# KiCad board AMLDC-2044B p3.kicad_pcb (continued)
## Routing (per net, layer and track width the routed paths; a pad name or vN(x,y) marks a point on that pad's centre or on a via; arc(x,y) is an arc through that point) (continued)
  Top w0.25: 127.64,225.12 126.76,225.12 UJ0.7 ; 127.64,225.12 128.42,219.62 C72.2 131.78,215.21 132.39,214.61 132.39,204.21 132.31,204.29 ; 127.64,225.12 127.87,225.36 ; 127.61,17.9 127.61,1.07 ; 127.61,17.9 127.61,42.46 ; 127.61,17.9 126.72,18.8 UV0.7 ; 127.61,1.07 127.04,0.5 126.58,0.96 UW0.7 ; 127.61,1.07 127.61,-6.71 126.47,-7.85 v1(126.42,-7.85) 126.42,-7.91 126.45,-7.88 ; 127.7,260.48 127.52,260.31 127.4,260.43 UG0.7 ; 127.7,260.48 127.7,276.94 ; 127.7,260.48 127.7,251.42 127.87,251.25 ; 132.31,204.29 UK0.7 ; 132.31,204.29 133,203.6 133,198.53 ; 127.61,42.46 127.07,43.01 UU0.7 ; 127.61,42.46 128.14,42.99 128.14,62.17 ; 132.82,156.89 132.51,157.2 UM0.7 ; 132.82,156.89 132.82,173.8 ; 132.82,156.89 132.71,156.78 132.71,155.02 128.1,150.42 127.99,150.42 127.99,140.55 ; 127.03,355.59 v2(127.53,358.14) 127.58,358.19 ; 127.03,355.59 R19.2 125,348.76 CR1.2 124.53,345.01 R49.2 126.98,342.56 126.98,334.24 127.03,334.19 127.03,333.39 126.51,332.87 ; 127.03,355.59 127.58,355.59 128.18,354.99 133.28,354.99 133.33,355.04 133.93,353.59 134.33,352.09 135.53,349.34 136.73,346.99 137.03,346.69 C45.1 137.03,342.74 C31.1 ; 127.85,315.18 UD0.7 ; 127.85,315.18 127.85,298.62 ; 127.85,315.18 R72.2 128.73,318.79 128.73,328.15 UC0.7 ; 127.74,242.53 127.87,242.66 127.87,251.25 ; 127.74,242.53 127.58,241.46 127.87,238.64 ; 127.74,242.53 127.55,242.33 UH0.7 ; v2(125.23,329.39) 125.18,329.44 UC0.7 ; 111.33,298.28 111.56,298.52 v1(111.6,298.56) 127.96,298.52 127.85,298.62 ; 127.87,225.36 125.1,219.21 C71.2 ; 127.87,225.36 127.87,238.64 ; 127.99,115.47 127.99,97.62 ; 127.99,115.47 128.13,115.33 UP0.7 ; 127.99,115.47 127.99,140.55 ; 127.99,97.62 127.83,97.46 UR0.7 ; 127.99,97.62 127.99,80.58 ; UE0.7 127.78,295.99 127.87,295.89 ; 127.87,251.25 128.28,251.66 R7.2 ; 128.14,62.17 127.99,62.32 127.99,80.58 ; 128.14,62.17 UT0.7 ; 133,198.53 132.8,198.34 C64.2 ; 133,198.53 133,189.77 132.91,189.68 ; 127.7,276.94 127.87,277.11 127.87,295.89 ; 127.7,276.94 127.64,276.99 UF0.7 ; 126.51,332.87 126.13,332.49 ; 126.51,332.87 126.35,332.87 UC0.7 ; 127.99,80.58 127.78,80.79 US0.7 ; 127.99,140.55 127.8,140.73 UN0.7 ; 127.87,295.89 127.87,298.6 127.85,298.62 ; 132.91,189.68 132.79,189.56 127.63,189.56 127.26,189.19 C65.2 ; 132.91,189.68 132.91,173.89 132.82,173.8 ; 127.87,238.64 120.3,238.4 v1(115.28,237.59) 115.35,237.62 ; 426.85,100.98 429.33,103.4 428.98,103.75 429.16,110.33 429.47,113.57 429.66,115.38 429.87,120.28 R25.2 428.98,123.39 429.28,123.39 429.68,123.79 429.68,125.69 C8.1 ; J2.1 81.25,154.96 v2(81.33,155.04) ; 132.82,173.8 UL0.7 ; J1.99 81.13,188.74 81.13,188.74 v2(81.18,188.74) 81.18,188.79
V0p10: length 7.8
  Top w0.15: UV0.5 120.09,20.08 120.16,25.33 120.16,26.17 UV0.10
V0p13: length 7.8
  Top w0.15: UV0.13 112.58,26.21 112.58,25.12 112.54,22.54 112.46,19.92 112.46,19.13 UV0.2
V1p12: length 8
  Top w0.15: 153.84,34.1 153.79,34.04 v1(153.72,34.04) 153.72,33.97 153.65,33.91 153.65,33.69 153.3,33.34 153.3,27.8 153.25,27.74 UV1.12
V1p13: length 13.7
  Top w0.15: 148.74,39.54 v1(148.74,39.6) 148.59,38.11 148.56,37.82 148.44,37.28 148.39,35.9 148.42,35.02 148.44,34.26 148.56,33.68 148.76,33.06 148.89,32.53 149.04,31.65 149.53,30.47 149.72,29.76 150.04,28.99 150.35,28.08 150.49,27.58 150.71,26.36
V3p10: length 7.6
  Top w0.15: 239.36,25.78 239.36,18.16
V3p13: length 7.8
  Top w0.15: 231.74,25.78 231.74,25.3 231.98,25.05 232.11,19.54 231.74,18.16
(no net): length 18057.1
  Top w0: 81.24,319.09 81.25,319.1 v1(82.12,319.1) ; 92.28,319.1 v1(92.32,319.14)
  Top w0.15: 134.47,272.11 133.96,261.82 133.89,260.79 133.73,257.12 133.86,256.75 134.02,256.01 134.23,253.81 133.88,252.15 ; v1(435.61,314.44) 435.44,311.56 435.42,307.6 435.52,306.77 435.38,295.01 435.23,283.99 435.08,268.03 435.08,264.2 435,252.59 435.21,225.64 435.35,223.65 435.35,220.53 v1(435.26,220.44) ; 320.5,147.79 320.55,147.74 ; 320.55,147.74 320.34,144.51 320.37,143.77 320.27,140.73 320.11,139.32 320.05,137.7 319.77,135.16 319.47,133.61 319.38,132.48 319.18,131.22 319.09,129.97 318.86,128.65 318.68,127.41 318.57,125.86 318.48,125.01 318.37,119.81 318.14,113.13 317.98,86.62 317.93,85.1 317.92,83.18 317.87,82.25 317.76,77.75 317.81,76.26 317.76,71.11 ; 320.55,147.74 320.63,153.19 320.66,154.07 320.83,160.26 320.56,161.63 320.44,162.53 320.18,163.7 319.79,165.53 319.37,166.59 v1(319.01,167.25) ; 223.62,110.72 223.77,109.4 223.62,108.14 v1(223.62,106.78) ; v1(285.47,206.35) 285.54,206.35 288.37,203.9 289.08,203.22 290.07,201.69 289.85,198.06 289.63,197.04 289.32,195.55 289,193.57 288.56,189.49 288.47,188.2 288.05,184.67 287.74,182.22 287.66,170.12 287.59,167.08 287.83,136.41 287.59,128.43 287.43,124.04 ; v1(417.59,217.01) 417.71,218.69 417.57,240.71 417.63,242.08 417.76,249.99 417.76,250.89 417.85,255 417.92,256.17 417.69,256.66 417.53,257.68 417.99,258.94 418.1,263.34 417.79,263.73 417.65,265.2 417.74,265.3 417.74,265.47 418.14,266.15 418.04,267.27 418.03,268.71 v1(417.92,268.82) ; 256.65,42.39 v1(256.7,42.41) 256.91,43.73 257.17,44.95 257.21,46.61 257.22,50.44 257,50.66 257,69.44 257.12,70.55 256.84,103.49 256.85,106.51 256.74,108.68 v1(256.6,109.96) 257.13,114.36 256.67,174.56 256.59,180.34 v1(256.41,181.73) ; v1(223.78,282.27) 223.94,283.22 224.18,284.45 224.37,286.06 224.49,288.67 224.48,290.42 224.48,309.26 224.44,312.29 ; v1(281.65,322.8) 281.65,298.85 v1(281.54,298.73) ; v1(399.47,239.65) 399.5,239.68 399.5,241.27 399.4,241.65 399.22,242.9 399.09,245.64 398.98,246.61 399.07,266 399.21,273.63 399.33,304.65 399.38,305.4 399.41,308.18 399.61,309.94 399.85,313.15 400.08,316.99 399.98,317.59 v1(400.02,317.63) ; 139.92,154.68 140.29,156.5 v1(140.67,157.55) ; v1(333.3,120.54) 332.86,119.69 332.74,119.41 332.47,117.83 332.4,117.29 332.23,116.23 332.18,114.75 332.18,110.63 332.33,109.42 332.56,105.73 332.84,104.46 332.97,101.41 v1(332.97,101.41) ; 254.2,2.95 254.2,3.06 v1(254.25,3.11) 254.2,3.16 254.2,4.13 254.38,4.83 254.56,7.41 254.61,8.04 254.9,10.81 255.04,12.36 255.2,22.75 255.05,24.14 254.88,27.48 254.67,29.59 254.35,31.55 254.01,33.21 253.87,35.07 253.74,38.48 253.59,70.15 253.57,72.83 252.93,98.29 252.97,107.61 253.41,113.41 253.71,114.66 v1(253.81,115.58) ; v1(366.31,171.18) 366.29,169.91 366.25,168.86 366.11,164.38 366.13,163.53 366.06,161.03 366.07,159.56 366.03,155.95 365.99,155.11 365.89,151.91 365.89,150.97 365.81,149.41 365.73,147.72 365.8,146.94 365.69,145.9 365.71,145.88 365.85,143.11 365.94,142.01 366.12,139.82 366.15,139.09 366.25,138.08 366.38,134.45 366.35,127.82 366.35,126.31 366.35,125.11 366.3,122.29 366.34,118.41 366.27,117.65 v1(366.08,116.55) ; 104.46,116.83 104.43,116.87 v1(104.43,118.11) ; 281.45,199.58 281.76,190.74 282.31,186.2 283.05,179.68 ; v1(363.07,237.36) 363.32,237.1 363.29,236.69 v1(362.98,229.71) ; v1(179.27,174.26) 179.06,176 179.2,176.85 ; 224.44,312.29 224.02,312.71 v1(223.94,312.71) ; 224.44,312.29 224.44,312.37 ; v1(134.4,42.93) 134.5,46.75 134.49,47.37 134.72,49.01 134.87,52.31 134.91,53.92 134.97,55.56 135.07,57.3 135.07,62.57 135.49,64.2 135.75,66.91 135.92,67.84 136.09,69.27 136.42,71.02 136.45,76.04 136.21,77.32 136.07,79.55 136.03,79.91 135.41,85.83 135.17,88 135.1,89.27 134.96,89.93 134.77,93.72 134.84,95.1 134.79,97.13 v1(134.65,106.61) 133.94,107.32 133.71,108.23 133.17,110.3 133.04,122.25 133.17,123.83 133.91,127.6 134.26,128.77 135.21,132.92 135.43,134.43 135.83,138.79 136.01,139.96 136.28,144.86 136.36,146.21 136.41,148.36 136.45,149.92 136.63,152.78 136.88,153.95 137.32,159.91 137.43,161.1 137.65,163.25 137.78,164.1 137.87,167.47 137.98,169.22 138.16,171.76 138.23,172.38 v1(138.13,174.07) ; v1(400.17,320.43) 400.48,320.29 401.23,319.1 401.83,317.71 401.48,312.77 401.38,311.77 401.37,311.03 401.34,310.79 401.3,309.28 401.31,308.77 401.33,308.48 401.46,306.92 401.86,305.81 402.19,304.95 402.53,303.91 402.62,302.22 401.9,299 401.58,291.99 401.48,288.37 401.28,283.53 401.15,277.21 401.12,273.05 ; 286.75,240.94 286.31,230.25 286.24,228.6 286.43,226.31 286.76,216.3 287.36,209.61 287.62,207.39 v1(287.75,206.75) ; 255.36,299.14 255.38,299 ; 255.38,299 255.55,298.11 255.87,289 255.86,288.19 255.82,285.81 255.84,281.56 255.58,277.94 255.65,277.51 255.25,274.48 254.82,271.15 254.48,266.96 253.95,260.67 253.82,255.9 253.88,255.22 254.03,250.75 254.15,249.75 254.54,247.49 254.78,246 v1(255.29,244.11) ; 255.38,299 255.32,299.27 v1(255.29,300.11) ; v1(289.01,352.17) 289.31,349.78 289.72,345.34 289.68,328.47 289.68,325.07 289.39,319.81 v1(289.12,317.84) ; v1(289.07,241.3) 289.29,243.19 289.48,245.13 289.85,247.02 290.15,251.34 290.11,253.49 290.15,256.99 290.08,257.85 v1(290.09,258.18) ; v1(89.94,227.41) 89.3,227.78 88.9,228.26 88.43,228.79 87.54,230.25 87.65,231.91 87.8,232.43 88.01,233.02 88.36,233.52 88.51,233.78 89.12,234.28 89.4,234.45 92.67,236.17 94.48,237.02 v1(95.94,237.73) ; v1(374.63,116.51) 375.21,141.42 375.09,193.08 375.15,205.82 375.15,206.52 v1(374.9,206.77) ; 324.31,72.71 324.58,90.35 324.43,98.92 324.95,101.12 325.18,102.65 325.08,103.94 325.13,106.13 325.31,107.7 325.49,110.65 325.99,112.51 326.37,115.22 326.93,117.08 327.7,121.22 328.36,124.59 328.77,127.62 328.63,134.6 328.73,139.59 328.74,140.81 328.64,156.75 328.69,156.79 328.69,176.85 328.77,185.74 328.77,194.49 328.84,197.04 328.81,206.06 328.58,208.95 328.2,216.91 327.93,221.76 327.83,222.94 327.61,228.4 327.34,232.15 326.93,241.34 326.75,243.82 326.56,248.25 326.43,249.7 325.93,263.32 325.67,268.94 325.36,277.76 325.18,279.56 325.04,281.75 324.77,291.64 324.83,295.91 324.9,303.78 324.92,306.57 325.13,330.49 325.08,330.53 v1(325.08,332.78) ; 253.02,-0.76 v1(252.9,-0.67) 252.88,-0.19 252.44,1.29 251.34,5.51 251.22,6.57 250.83,9.55 250.15,12.42 249.93,14.61 249.71,15.98 249.72,17.92 249.65,19.92 249.83,20.97 249.99,31.83 250.03,31.88 250.03,41.01 250.16,44.26 250.41,53.37 250.39,53.39 250.46,63.15 250.62,69.76 251.01,75.08 251.13,76.22 251.22,77.77 251.17,80 250.76,83.03 250.64,84.55 250.58,85.79 250.52,88.23 250.51,92.36 250.49,97.25 250.22,107.75 250.11,113.75 250.49,115.11 250.89,116.55 251.76,119.09 252,120.93 252.24,122.51 252.27,127.05 252.29,130.96 252.24,133.25 v1(252,136.72) ; v1(99.01,59.52) 98.8,60 98.42,61.12 98.08,62.32 97.74,63.71 97.55,66.4 97.39,67.61 97.39,69.98 97.39,71.59 97.48,72.94 97.55,74.08 97.59,78.14 97.65,78.82 97.52,80.09 96.67,81.67 96.38,82.53 95.19,83.96 93.26,85.7 92.43,86.34 ; v1(183.59,132.26) 184.14,154.62 183.62,169.94 183.6,171.1 v1(183.39,174.16) ; v1(172.18,282.82) 172.39,283.81 172.76,284.9 172.79,286.9 172.59,290.52 172.13,293.11 171.7,298.39 171.7,301.82 171.6,303.25 171.84,307.08 172.78,308.72 173.27,309.87 173.39,310.81 173.39,315.92 173.38,317.28 173.26,319.54 173.22,321.11 173.52,324.25 173.8,326.37 173.87,327.5 173.93,329.21 174.15,333.88 174.29,334.93 174.39,337.74 174.54,339.11 174.37,342.92 173.61,347.84 173.38,350.89 173.29,351.78 v1(173.29,354.87) ; v1(102.99,141) 103.12,140.07 103.47,136.23 ; v1(102.99,141) 103.23,141.24 ; v1(102.99,141) 102.79,140.8 ; v1(338.22,159.61) 338.45,160.79 338.6,163.38 338.6,164.69 338.58,166.2 338.5,169.54 338.32,174.22 338.17,177.13 337.76,183.86 337.59,185.93 337.48,188.21 337.4,188.84 337.22,193.22 337.07,194.36 336.84,196.15 336.06,197.66 335.74,198.71 334.66,200.52 334.21,202.77 334.01,204.66 334.14,207.98 334.08,210.44 334.16,215.51 334.14,217.86 334.31,223.7 334.23,223.79 334.23,232 334.16,233.62 334.16,247 334.11,247.05 334.11,248.92 334.14,250.91 334.4,261.79 334.46,264.6 v1(334.63,269.05) ; 138.84,328.77 138.63,327.17 138.35,325.06 137.82,323.26 137.56,318.38 137.64,316.19 137.51,314.55 137.4,294.92 137.29,293.69 137.2,287.32 137.2,286.43 137.12,283.53 136.9,280.95 136.82,279.4 136.63,275.24 136.59,273.33 136.41,271.49 136.39,270.06 135.97,262.08 135.87,260.69 135.93,258.88 136.31,256.56 136.21,253.69 135.96,252.32 135.75,250.65 135.81,249.35 135.97,242.37 135.97,241.2 135.93,238.47 135.92,237.61 135.97,235.19 136.39,233.05 136.92,229.48 136.91,228.69 137.12,221.78 137.26,220.05 137.52,217.19 137.86,214.93 138.55,208.74 138.63,208.26 139.02,205.38 138.91,203.52 138.25,201.28 137.65,199.67 136.96,197.73 136.45,196.56 136.25,195.54 135.87,194.45 135.49,193.1 135.28,191.5 ; 173.71,286.57 173.75,283.49 173.24,279.11 173.25,276.95 173.33,276.17 173.65,274.29 173.85,272.64 173.63,269.99 173.4,268.11 172.73,264.95 173.31,261.81 173.55,261.03 173.81,258.99 174.03,257.74 174.07,256.57 174.02,253.77 174.03,253.21 173.8,248.67 173.88,242.61 173.98,234.13 173.98,233.41 174.02,227.25 174.06,226.41 173.94,220.58 173.95,218.47 173.92,215.67 173.97,211.75 173.94,207.55 174.07,204.3 174.07,200.83 174.09,200.48 174.09,195.9 174.07,195.41 174.17,192.17 174.17,178.27 174.15,177.57 174.08,174.36 174.08,162.99 173.88,148.05 173.93,145.13 173.32,137.82 172.97,136.56 172.76,135.39 172.22,133.48 171.9,131.37 171.86,129.8 171.96,124.79 v1(172.26,123.28) ; v1(405.09,302.19) 404.95,302.96 404.62,303.9 404.45,304.48 404.19,305.08 403.82,306.39 403.71,307.29 403.57,308.83 403.56,311.47 403.7,318.24 403.4,320.15 403.24,320.7 403.06,321.75 402.92,323.15 402.87,323.56 402.76,324.17 402.76,330.68 402.7,331.23 402.73,332.09 402.89,334.07 403.01,334.67 403.3,335.94 403.43,336.45 403.68,337.32 404.1,338.1 404.34,338.82 404.44,339.3 v1(404.54,340.19) ; v1(221.98,242.36) 221.28,243.77 221.23,262.79 221.25,275.97 221.04,286.02 220.91,289.99 220.82,290.96 220.73,294.71 221.14,296.83 220.94,298.38 220.49,299.22 ; v1(363.07,281.73) 363.14,282.98 362.97,285.04 362.79,287.81 362.69,288.96 362.69,290.43 362.65,294.75 362.74,296.58 362.74,300.47 362.73,301.87 362.69,306.47 362.76,307.61 362.92,311.66 363.01,313.12 363.3,316.75 363.47,318.74 363.7,322.12 363.81,322.81 364.03,324.94 364.2,326.08 364.32,327.39 364.73,331.2 364.96,333.78 365.01,338.24 364.95,339.39 364.87,340.15 364.49,343.53 v1(364.33,344) ; v1(85.72,77.26) 86.1,76.4 86.32,75.3 87.21,72.91 87.38,72.01 87.66,69.48 87.76,68.91 87.69,68.47 87.74,67.38 87.72,66.35 87.62,64.48 87.22,63.13 86.96,62.11 86.09,61 84.95,60.4 84.69,60.21 83.78,60.02 v1(82.41,59.95) ; v1(367.93,307.1) 368.41,306.62 368.66,298.8 368.46,296.81 368.28,296.33 367.66,294.76 367.37,293.97 366.96,293.01 366.81,292.06 367.09,290.54 367.23,290.03 367.39,289.04 367.53,288.42 367.59,287.75 367.78,286.84 368,285.84 368.13,285.09 368.3,283.96 368.43,283.08 368.43,281.82 368.37,281.56 368.29,281.06 367.97,280.06 367.43,278.93 367.28,278.42 367.09,277.51 366.9,276.2 366.85,275.19 366.7,272.77 366.66,271.71 366.75,270.29 367.05,268.56 367.3,267.34 367.36,265.29 367.04,264.27 366.54,262.92 366.16,261.66 366.25,260.24 366.6,259.05 367.18,257.22 367.58,256.19 368.23,254.3 369.12,252.31 369.67,248.4 369.7,244.93 369.86,236.87 369.52,233.29 369.09,231.33 368.9,229.49 369.26,228.09 369.85,226.71 370.2,225.93 370.52,224.5 370.36,222.66 369.96,221.5 369.58,220.04 369.2,218.67 368.99,214.73 369.02,214 368.94,213.37 369.02,210.19 368.93,209.12 368.73,206.61 368.65,205.9 368.54,202.25 368.48,202.02 368.57,197.73 368.72,189.5 368.76,188.85 368.7,188.52 368.69,188.08 367.9,184.57 367.74,183.55 367.47,182.64 367.23,181.57 367.12,180.8 367.16,179.71 367.29,178.73 v1(367.43,177.48) ; v1(82.15,284.8) 82.47,284.8 84.07,287.41 84.97,290.86 86.35,295.57 87.76,299.13 88.17,299.98 90.7,303.68 90.93,303.68 v1(91.07,303.81) ; v1(407.69,210.6) 407.77,209.72 408.02,208.92 408.28,207.37 408.4,206.64 408.47,205.53 408.58,203.08 408.62,202.6 408.57,199.35 408.5,197.97 408.52,197.03 408.32,195.95 408.24,194.09 408.04,192.8 407.89,191.12 407.68,189.65 407.59,188.48 407.39,186.94 407.27,185.1 407.17,183.48 406.96,170.76 407.02,169.02 406.96,167.11 406.95,164.74 406.84,152.85 ; 337.93,70.44 338.22,70.73 338.22,110.87 337.95,111.15 v1(337.95,111.91) ; v1(181.78,9.57) 181.58,9.57 180.53,10.91 181,13.63 181.2,14.66 181.6,16.26 181.66,17.62 181.3,33.74 181.37,34.55 181.31,35.93 180.91,49.81 180.3,54.93 180.07,57.64 180.18,59.1 180.28,59.63 180.66,62.67 181.16,65.86 181.09,66.56 181.09,67.47 181.26,73.09 181.26,79.52 181.31,97.91 181.33,99.21 181.33,105.51 181.75,113.71 181.99,115.05 v1(182.4,115.76) ; v1(411.97,352.86) 412.18,352.4 412.58,351.54 412.59,345.74 412.59,343.81 412.56,332.11 412.55,327.78 412.5,320.28 412.47,318.75 412.33,307.61 412.33,305.61 412.35,302.29 412.41,295.44 412.28,291.53 412.17,290.2 412.04,288.61 412.04,287.1 v1(411.8,286.86) ; 83.67,25.4 83.5,25.23 v1(83.15,25.2) 83.13,25.23 ; 83.67,25.4 84.72,25.72 85.05,25.97 86.67,26.84 86.96,27.01 87.31,27.23 87.69,27.43 88.59,28.04 89.17,28.33 90.05,28.92 90.69,29.36 92.15,30.52 94.5,32.92 95,33.57 95.9,34.58 96.91,36.08 97.91,37.39 98.4,38.28 99.49,39.85 100.16,41.05 101.02,42.76 101.45,43.91 101.52,43.98 101.76,44.96 101.74,45.21 101.85,45.91 101.44,48.05 101.36,48.54 101.2,49.34 101.45,51.07 101.69,51.83 101.88,53.22 102.04,53.77 102.16,54.32 102.28,54.9 102.3,55.52 102.41,56.16 102.51,57.97 102.5,58.65 102.47,59.33 102.31,60.45 102.08,61.45 101.82,62.53 101.45,63.38 101.18,64.7 100.82,65.64 100.46,66.83 100.07,67.86 99.49,69.94 99.42,71.06 99.35,72.35 99.43,73.08 99.4,73.61 99.63,74.57 99.63,75.17 99.89,76.21 100.19,78.02 100.43,79.16 100.48,79.88 ; 83.67,25.4 83.54,25.27 ; v1(175.21,307.8) 174.88,306.85 174.85,306.32 174.75,303.07 174.74,296.11 174.71,294 174.85,287.81 174.89,284.93 174.76,281.15 174.71,280.32 174.62,279.45 174.4,278.2 174.06,277.52 174.88,275.5 174.74,274.91 174.88,272.07 174.81,271.38 174.58,268.92 174.34,267.71 174.22,266.58 174.09,265.94 174.16,263.26 175.39,258.68 175.32,254.47 175.03,249.81 175.05,248.02 175.7,246.48 176.04,245.28 177.11,243.26 177.14,235.32 177.11,235.28 177.11,227.51 177.07,227.47 177.14,227.16 177.21,226.07 177.21,214.95 v1(177.31,214.85) ; 253.68,295.83 253.68,296.23 253.73,295.43 254.21,291.66 254.42,290.07 254.45,289.65 254.63,287.54 254.52,286.08 254.54,284.84 254.57,282.11 254.18,277.9 253.89,275.07 253.8,273.36 253.38,266.88 252.95,262.77 252.58,259.32 252.55,258.13 252.36,254.36 252.35,251.45 252.32,243.27 252.33,239.59 252.45,235.86 252.51,235.47 252.72,233.38 253.2,230.17 253.42,229.39 253.52,229.39 v1(254.06,228.86) ; 327.37,70.6 327.56,100 327.74,107.3 327.82,109.12 328.03,110.54 328.39,111.93 328.45,112.69 328.84,113.95 329.15,115.67 329.45,116.75 329.82,119.09 329.98,119.79 330.09,120.87 330.37,122.05 330.49,122.68 330.82,124.23 331.09,126.7 331.43,128.4 331.47,218.64 v1(331.64,218.82) ; v1(178.86,321.78) 178.72,320.45 178.53,316.2 178.47,315.33 178.09,312.85 177.98,311.37 177.76,309.09 177.8,306.99 178.07,303.95 178.4,301.5 178.43,301.16 178.62,298.97 178.78,296.16 179.02,293.58 179.37,288.95 179.33,287.85 179.25,285.49 179.04,283.74 178.72,281.02 178.55,278.91 178.47,278.84 178.47,274.82 178.49,274.25 178.7,271.77 178.88,270.53 179.04,260.67 178.94,260.1 178.84,256.22 178.74,255.41 178.21,250.08 178.08,248.38 178.57,246.97 179.35,245.21 180.12,242.02 180.3,233.06 ; 212.27,154.36 212.17,138.97 212.21,138.92 212.21,131.66 212.26,131.61 212.3,123.67 212.27,122.36 212.47,119.7 212.93,115.41 ; v1(368.06,225.85) 367.97,226.58 367.92,227 367.86,227.72 367.87,230.31 368.13,231.67 368.47,233.17 368.62,233.81 368.83,234.78 368.89,235.51 368.81,247.3 368.52,249.95 368.08,252.37 367.45,254.06 366.87,255.86 366.47,256.83 365.79,258.84 365.53,259.47 365.28,260.47 365.23,261.2 365.3,262.93 365.52,264.2 v1(365.41,265.21) ; v1(97.38,43.76) 97.03,45.22 96.76,45.85 96.42,47.66 95.61,50.49 95.57,51.67 95.5,52.86 95.39,53.28 95.29,54.33 94.93,56.73 94.81,58.1 94.61,59.87 ; v1(337.02,205.66) 336.85,206.65 336.72,208.26 336.71,210.16 336.59,211.39 336.64,218.93 336.62,219.66 336.62,220.6 336.61,226.63 336.61,233.01 336.68,233.07 336.68,240.74 336.82,243.03 336.86,243.38 336.96,244.88 337.04,246.72 337.12,247.53 v1(337.09,248.78) ; 107.05,153.07 107.5,155.79 107.66,156.57 107.66,157.24 108.15,160.18 108.21,160.76 108.55,161.72 108.7,162.42 v1(108.99,164.39) ; v1(368.15,291.85) 368.31,291.14 368.47,290.36 368.41,290 368.53,287.82 368.93,285.42 369.12,284.63 369.39,282.98 369.48,281.88 369.26,280.69 368.82,279.65 367.87,276.41 367.71,275.34 367.62,274.6 367.63,274.18 367.58,272.68 367.61,271.65 367.58,270.69 367.71,269.84 367.84,269.32 368.45,265.9 368.1,264.44 367.87,263.95 367.25,262.34 367.17,261.33 367.12,260.83 367.3,259.95 368.2,257.76 368.64,256.38 368.99,255.5 369.38,254.06 370.05,252.31 370.53,249.8 370.65,249.23 370.8,235.51 370.78,234.33 370.66,233.43 370.56,232.67 370.06,230.91 369.87,229.58 370.23,228.18 370.61,227.3 371.28,225.73 371.44,224.37 371.42,223.8 371.38,222.66 371.01,221.89 370.93,221.3 370.39,219.76 370.02,217.9 369.9,208.6 369.89,208.59 369.73,207.49 369.64,206.7 369.46,203.7 369.72,201.41 370.71,198.5 371.19,197.17 371.36,192.25 371.45,190.27 371.4,171.32 371.17,167.96 371.15,167.57 370.66,164.74 370.24,161.75 370.19,160.92 369.88,152.61 369.85,151.75 369.78,144.25 370.66,141.66 371.23,140.05 371.43,139.43 371.57,138.72 371.81,137.84 371.8,135.83 371.74,130.8 371.29,124.72 371.17,123.57 371.1,123.07 v1(370.9,122.67) ; v1(82.28,268.74) 83.43,271.62 84.7,273.82 85.82,276.76 87.25,279.31 88.05,281.06 89.85,283.76 90.52,284.33 90.94,284.68 92.27,286.2 92.99,287.65 93.07,290.1 92.77,291.72 v1(92.28,293.84) ; v1(403.42,350.27) 402.97,349.3 402.32,348.32 402.03,347.53 401.8,347.07 401.34,345.18 401.46,339.05 v1(401.28,337.62) 401.39,337.2 401.5,336.81 401.48,335.4 401.48,334.43 401.31,327.58 401.34,326.91 401.37,326.18 401.44,323.29 401.55,322.44 401.81,321.35 402.21,319.42 402.61,317.62 402.58,314.32 402.49,312.68 402.44,310.06 402.44,309.09 402.42,308.27 402.53,307.41 402.86,305.93 403.11,305.25 403.49,304.27 403.58,302.23 403.4,300.72 403.26,299.59 403.13,298.57 403.14,298.11 402.91,295.9 402.79,294.2 402.79,293.72 402.76,289.88 402.82,288.83 402.92,283.11 403.04,282.34 403.21,281.08 403.31,280.71 v1(403.43,279.11) 403.23,278.61 403.11,278.25 402.79,276.62 402.71,275.99 402.53,274.15 402.54,273.04 402.54,270.49 402.58,269.87 402.69,268.56 402.81,267.62 402.94,266.7 403.25,265.37 403.57,262.79 403.03,260.48 v1(403.03,260.16) ; v1(82.48,74.98) 82.72,75.87 83.05,76.65 83.23,77.25 83.48,77.6 84.28,79.08 84.52,79.46 84.92,80.06 85.49,80.57 86.23,80.99 86.9,81.11 87.42,81.1 88.32,80.76 89.82,79.27 90.01,79.01 90.38,78.37 90.77,77.73 91.58,75.98 91.98,74.87 92.11,74.49 92.19,74.01 92.29,73.19 92.29,69.97 92.21,69.32 92.11,68.31 92.01,67.77 92.01,67.28 91.86,65.44 91.84,65.19 91.84,65.01 91.74,64.1 91.71,63.89 91.75,62.91 91.81,62.26 92.02,60.48 92.15,59.61 92.24,58.58 92.31,58.24 92.34,58.15 92.48,56.94 92.63,55.41 92.63,54.52 92.69,54.41 92.68,54.3 92.47,52.41 92.18,51.69 91.91,51.03 91.63,50.69 91.35,50.34 90.24,49.23 89.92,49.02 89.19,48.54 88.31,47.91 87.22,47.16 87.08,46.95 86.45,46.57 86.1,46.25 v1(84.75,45.6) ; 400.41,248.13 400.35,249.1 ; 400.35,249.1 400.38,248.4 400.64,246.94 400.74,246.23 400.86,245.36 401.18,244.44 401.77,242.28 402.22,241.17 402.69,239.71 402.76,239.32 402.96,238.81 403.34,237.2 403.55,234.02 403.58,232.7 403.59,222.69 403.6,221.13 403.39,218.26 402.99,216.51 402.38,215.13 401.47,213.68 401.41,213.68 400.44,211.93 399.52,210.48 399.12,209.38 398.77,207.73 398.69,201.48 398.68,200.31 398.5,161.84 398.77,157.05 398.71,154.5 v1(398.89,154.31) ; 400.35,249.1 400.22,253.41 400.22,255.29 400.19,259.22 400.2,259.96 400.2,269.86 400.17,271.52 400.45,283.33 400.45,287.58 400.71,300.74 400.81,302.34 v1(400.84,303.5) ; 408.9,186.53 408.92,187.67 409.07,189.18 409.06,190.4 409.32,193.49 409.33,194.1 409.43,196.16 409.66,199.27 409.67,201.18 409.78,205.66 ; v1(319.75,72.11) 319.53,73.11 319.42,74.17 319.32,76.5 319.2,77.65 318.99,91.77 319.02,106.4 319.21,108.09 319.92,109.98 320.75,111.83 321.22,112.95 321.57,114.29 321.61,115.25 321.67,116.8 321.56,123.6 321.63,124.77 322.1,130.37 322.28,131.27 322.52,133.24 322.73,134.25 322.73,134.78 322.94,136.47 322.91,137.41 323.07,139.16 323.05,177.78 323.05,179.13 322.73,190.37 322.62,191.56 322.53,192.72 322.47,193.62 322.32,194.06 322.16,195.45 322.04,196.53 322.04,196.94 321.82,198.74 321.63,199.94 321.5,200.75 321.26,202.85 321.16,203.6 v1(321.14,204.2) ; v1(330.91,254.1) 331.27,255.34 331.66,256.55 331.87,257.33 332.13,258.12 332.42,259.4 332.73,260.56 332.92,262.79 332.94,264.01 332.98,265.75 332.94,267.49 332.78,268.85 332.52,274.28 332.57,274.69 332.77,276.78 332.96,277.47 333.06,278.01 333.3,278.73 333.61,280.3 333.77,280.86 334.12,282.31 334.46,283.44 335.26,286.95 335.43,288.41 335.28,293.53 335.02,297.78 335.38,303.21 335.41,304.45 335.58,309.41 v1(335.35,310.4) ; v1(372.2,286.81) 372.24,285.68 372.33,284.59 372.45,283.54 372.58,282.4 372.56,281.67 372.63,280.03 372.55,279.43 372.14,278.18 372.23,278.27 371.64,277.16 370.93,275.85 370.41,274.02 370.28,271.11 370.67,268.59 371.02,267.16 371.24,266.24 371.55,264.94 371.61,264.21 371.48,262.63 ; v1(85.18,70.9) 85.33,70.04 85.38,68.12 85.5,67.72 85.39,65.82 85.22,64.97 85,64.19 84.5,63.69 84.24,63.41 83.69,63.11 83.1,63.04 v1(82.61,63.4) ; 335.94,108.96 336.09,108.16 335.74,99.49 ; 281.56,24.55 281.56,24.6 v1(281.58,24.61) 281.56,24.63 281.56,29.41 281.36,34.61 281.37,36.32 281.42,37.81 281.36,43.36 281.32,45.64 281.47,53 281.67,55.63 281.75,60.5 281.97,62.79 281.94,64.82 282.11,66.3 282.22,67 282.54,71.83 282.81,72.61 283.22,74.65 283.57,76.36 284.01,78.53 283.87,81.55 283.97,86.87 283.81,133.9 283.44,156.21 283.21,157.02 283.04,157.97 282.85,158.57 282.39,160.77 282.12,161.51 281.61,164.3 v1(281.31,165.12) ; v1(290.53,153.28) 290.35,152.25 289.87,150.71 289.72,149.51 289.71,142.3 290.04,135.42 290.22,132.25 290.55,129.01 291.01,121.69 291.12,111.64 291.29,106.16 291.25,100.73 291.4,78.59 291.35,72.43 291.35,60.16 291.33,60.13 291.07,56.75 291.14,53.47 291.3,47.02 291.35,46.97 291.14,43.61 291.21,39.97 291.21,33.4 291.18,33.38 291.18,27.95 291.18,26.74 290.95,21.73 ; v1(320.94,89.85) 320.94,90.65 320.82,90.85 320.58,92.08 320.47,93.61 320.24,101.16 320.31,106.43 320.53,107.77 321.06,109.18 321.68,110.49 322.52,112.11 322.79,113.83 322.66,124.17 322.79,126.96 323.17,130.3 323.34,131.11 323.78,133.23 323.94,133.86 324.04,138.17 324.13,139.17 324.19,142.24 324.16,143.86 324.26,150.87 324.25,150.89 324.25,161.36 324.26,161.38 324.26,168.54 324.22,169.3 324.06,181.21 324.03,185.43 324.03,186.93 324.1,191.26 324.13,192.47 323.89,197.34 323.79,198.45 323.39,201.68 323.14,203.17 322.92,204.71 322.86,205.02 v1(322.67,205.86) ; v1(183.93,101.56) 184.04,98.65 183.99,92.46 183.72,80.76 183.72,79.69 183.74,78.09 183.5,67.71 183.45,65.22 183.42,63.74 183.51,63.03 183.51,57.39 183.44,57.33 183.51,57.26 183.6,47.38 183.66,46.17 183.7,44.43 183.72,42.49 183.8,39.78 183.77,38.22 183.83,35.92 183.92,31.23 183.95,30.61 183.95,22.75 183.99,21.22 184.13,17.03 184.16,15.39 184.16,12.37 184.1,11.1 183.85,10.54 v1(183.85,9.93) ; 103.23,141.24 103.28,141.29 ; 103.23,141.24 103.23,141.3 103.61,142.75 ; v1(219.09,121.52) 219.22,122.5 219.33,123.49 219.29,124.34 219.38,125.76 219.38,127.79 218.84,142.45 218.73,143.78 218.56,150.47 217.83,155.82 218.64,162.27 218.76,165.9 218.7,166.53 v1(218.79,167.91) ; v1(182.91,288.35) 182.38,289.31 182.29,291.08 182.35,292.64 182.32,293.94 182.03,302.9 181.97,305.73 181.79,312.46 181.98,318.04 182.21,318.41 182.23,318.65 v1(182.27,319.22) ; v1(250.14,140.05) 250.47,138.36 250.25,135.5 251.31,126.83 251.42,124.72 251.08,120.64 249.91,117.79 249.12,113.9 249.35,94.93 249.24,85.89 249.24,79.8 v1(249.18,75.86) ; v1(409.5,344.47) 409.69,344.03 409.7,343.01 409.65,328.71 409.61,325.5 409.49,317.48 v1(409.38,314.83) ; 172.53,246.46 172.17,242.53 171.66,240.01 171.41,234.95 171.51,232.13 171.68,221.84 171.49,218.55 v1(172.18,216.1) ; 211.41,4.07 211.41,4.3 v1(211.35,4.36) 211.03,21.21 210.7,26.85 210.76,28.17 210.76,28.7 v1(210.57,28.89) 210.61,28.85 210.83,30.28 210.97,31.14 211.35,33.14 211.38,35.15 211.4,35.85 211.4,54.55 211.35,56.44 210.97,58.08 210.47,59.27 209.95,61.45 209.9,61.91 209.99,62.67 210.33,66.09 210.46,67.67 210.62,72.91 210.53,76.21 210.57,76.52 210.59,77.54 210.91,78.97 210.95,79.81 211.18,81.53 211.39,83.91 211.6,85.79 211.71,87.2 211.8,88.86 211.74,91.38 211.75,95.64 211.72,97.46 v1(211.17,100.23) 211.01,101.5 211.01,108.21 211.06,108.94 211.06,115.55 210.99,117.02 211.08,124.62 211.05,126.36 211.07,132.52 210.99,136.77 211.02,141.91 210.93,142.51 211.01,151.08 211.06,151.33 210.96,156.5 210.93,159.06 210.93,169.13 210.88,169.17 210.88,174.36 210.57,182.02 210.49,210.49 210.48,211.6 210.32,297.03 210.54,298.02 211.07,301.91 v1(211.21,302.7) ; 405.83,256.49 405.18,253.13 405.03,251.11 ; v1(158.66,219.81) 159.8,220.33 160.64,220.86 161.05,221.28 161.68,222.08 162.02,223.26 162.03,225.03 162.08,226.22 v1(162.16,229.36) ; v1(308.45,76.04) 308.88,76.94 309.04,78.43 309.39,81.16 309.51,82.7 309.61,83.71 309.7,85.25 309.84,86.77 309.96,89.65 309.96,90.11 309.98,90.61 309.91,95.15 309.91,95.71 309.98,102.73 309.96,102.75 309.99,109.05 310.03,117.43 309.84,118.43 309.63,118.91 309.45,119.18 309.45,119.2 309.28,119.42 308.94,119.73 308.26,120.26 307.49,120.87 v1(307.49,120.87) ; 251.47,18.56 v1(251.35,18.62) 251.98,19.9 252.3,21.97 252.3,24.21 252.4,26.99 ; v1(179.68,6.94) 179.68,7.21 179.55,7.63 179.42,8 179.31,8.44 179.28,10.4 179.46,11.75 179.61,12.98 179.97,14.46 180.61,18.13 180.78,19.84 180.66,23 180.64,24.01 180.42,30.16 180.39,30.65 180.17,35.34 180.16,41.82 180.07,48.23 179.89,50.78 179.7,52.03 179.33,54.24 179.09,58.06 179.04,59.14 179.17,60.4 179.48,61.62 179.84,63.79 179.94,64.95 179.95,65.49 180.06,66.12 180.07,67.08 180.25,69.85 180.31,71.87 180.28,73.17 180.32,76.88 180.32,77.43 180.29,78.62 180.2,89.6 180.28,94.46 180.22,95.91 180.33,100.56 180.3,101.2 180.39,106.42 180.39,107.87 180.82,113.95 180.92,114.91 ; 100.48,79.88 100.49,80.51 100.74,98.96 100.66,99.04 100.6,107.73 100.54,108.55 100.33,111.33 100.29,112.23 100.11,114 99.99,115.3 99.89,116.1 99.88,116.37 99.76,117.47 99.81,118.28 100.08,120.9 100.9,124.5 101.07,126.24 101.17,127.39 101.23,129.14 101.13,132.16 100.75,134.96 v1(100.52,136.16) ; 100.48,79.88 100.47,79.7 ; v1(409.32,309.59) 409.58,309.03 409.76,308.47 409.88,307.2 410,305.88 409.93,298.63 409.93,297.79 409.5,296.39 408.92,295.33 408.19,294.55 408.07,294.17 407.58,292.64 407.73,290.19 407.83,289.54 407.88,287.08 407.87,287.07 407.87,280.99 407.98,279.21 407.98,274.65 408.04,274.37 408.15,273.14 408.22,272.59 408.3,271.38 408.66,269 408.77,265.47 408.79,263.4 408.49,260.48 408.32,258.8 408.15,256.7 408.04,255.32 407.9,254.06 407.74,252.45 407.65,250.9 407.48,248.37 407.41,247.01 407.3,241.64 407.25,241.59 407.25,238.54 407.3,238.49 407.23,235.75 407.15,234.21 407.09,231.24 407.07,229.8 407.09,229.3 407.07,226.2 407.29,220.95 407.37,219.76 407.41,218.19 407.53,217.31 407.57,216.14 407.57,215.25 407.75,213.91 v1(407.63,212.92) ; 215.69,233.28 215.58,234.94 214.73,240.33 214.03,243.63 213.58,246.31 213.58,247.48 213.89,282.89 213.94,284.69 213.91,286.96 213.87,288.7 214.06,300.8 214.1,301.51 214.24,302.57 214.19,308.89 214.12,310.18 213.84,313.39 213.85,314.13 213.62,322.69 213.82,323.4 214.48,325.44 214.88,326.4 v1(215.36,327.68) ; v1(249.01,217.38) 248.77,201.94 248.65,199.15 248.59,184.69 248.65,167.94 248.43,146.57 v1(248.96,123.43) ; v1(170.86,288.59) 170.86,289 170.42,291.15 170.36,291.77 170.23,293.48 170.14,298.05 170.19,298.1 170.19,302.06 170.42,303.83 170.5,305.94 170.55,307.03 171.08,308.22 172.1,309.85 172.39,312.02 172.06,314.86 171.49,316.25 v1(170.79,316.55) ; 409.78,205.74 409.39,216.05 409.27,218.04 409.2,220.46 409.1,221.67 408.93,225.5 408.85,227.13 408.65,231.13 408.52,232.44 408.46,234.6 408.44,235.59 408.31,238.11 408.52,239.76 v1(408.97,240.9) 408.97,241.95 408.77,247.18 408.75,248.11 408.7,249.09 408.95,255.18 409.12,256.06 409.27,256.85 409.53,259.3 409.77,260.69 409.99,261.97 409.99,263.73 409.78,269.39 409.47,271.68 409.18,274.39 408.98,276.34 408.87,279.48 408.81,280.16 408.86,280.41 409.04,287.12 409.01,288.87 409.15,290.66 409.15,291.78 v1(409.26,293.06) ; v1(218.83,296.19) 219.17,294.38 219.6,291.48 219.94,268.37 219.88,265.83 219.91,263.66 219.64,257.68 219.53,256.47 219.16,252.66 219.02,251.67 218.83,249.3 v1(218.87,249.27) 219.38,247.88 219.72,245.9 219.67,232.63 219.3,225.88 218.91,219.67 218.86,218.78 218.4,209.38 218.07,205.63 217.44,196.37 216.95,191.11 216.49,184.53 215.92,181.27 215.04,177.43 214.81,175.51 214.91,161.27 214.95,160.25 215.01,156.84 214.87,155.11 215.05,152.52 215.31,149.21 215.51,147.4 215.5,144.65 ; 214.28,5.04 214.28,22.32 214.38,35.23 214.27,50.78 214.23,55.18 v1(214.17,55.51) 213.84,56.28 214.96,63.82 215.19,67.74 215.16,69.21 214.91,76.01 214.83,78.02 214.72,78.92 214.66,79.31 214.16,96.2 213.84,108.4 213.91,110.87 213.98,113.47 214.03,114.92 213.62,118.77 213.3,120.9 213.3,126.96 213.26,127.01 213.3,127.05 213.3,136.77 213.44,139.33 213.6,142.16 213.69,143.67 213.8,146.9 213.91,151.55 v1(213.68,181.67) ; 214.28,5.04 214.04,4.81 214.04,2.09 v1(213.92,0.76) 214.04,0.85 ; 214.28,5.04 214.08,4.85 ; v1(177.71,155.08) 177.44,152.92 177.53,152.15 177.32,149.43 177.3,146.95 177.09,139.96 177.06,137.72 176.96,130.92 176.93,129.6 176.92,124.72 177.21,121.93 177.66,118.87 177.65,117.34 177.47,115.96 177.22,112.86 176.98,109.87 176.95,107.43 176.85,73.9 176.9,72.39 176.73,70.3 176.72,70.28 176.72,68.27 176.58,67.62 176.39,65.64 176.31,65.14 176.26,64.13 175.86,61.78 175.69,60.4 175.72,59.54 175.52,58.35 175.66,57.03 175.7,56.44 175.73,55.55 176.46,51.96 176.42,37.68 176.7,31.1 176.93,28.72 177.25,27.33 177.35,23.34 177.25,21.69 176.73,19.34 176.31,18.04 176.07,16.97 175.69,15.89 174.68,12.89 v1(174.68,12.89) ; v1(217.43,287.81) 217.43,289.45 217.21,290.53 217.04,313.45 217.13,313.54 217.25,319.22 217.25,321.89 217.59,324.74 217.87,325.95 218.04,326.8 218.21,328.9 v1(217.15,331.43) ; v1(335.89,161.01) 335.82,160.64 335.93,159.62 336.47,158.18 336.98,156.84 337.45,155.93 337.66,155.28 337.82,154.63 338.13,148.2 v1(338.08,146.99) ; v1(141.67,303.84) 140.83,303.66 140.01,302.45 140.05,297.77 140.14,296.65 140.14,280.53 140.09,280.48 139.61,276.56 139.09,274.01 138.99,271.11 138.78,269.24 138.48,266.81 138.1,264.76 137.84,259.66 138.27,256.55 138.27,254.23 137.84,252.74 137.74,247.88 137.87,246.92 138.14,242.23 137.78,239.53 137.66,236.58 138.04,235.07 138.4,233.48 139.03,230.95 139.15,227.79 138.94,224.62 ; v1(142,244.13) 141.76,245.32 141.31,248.72 140.78,249.93 140.66,251.49 140.94,252.91 141.22,254.33 141.62,255.85 141.83,257.37 141.89,259.02 142.04,263.57 141.95,266.17 141.9,267.75 v1(141.74,269.67) ; 293.57,70.89 293.67,76.35 292.9,130.65 292.2,144.53 291.95,145.93 292.03,147.38 292.03,148.06 v1(292.41,148.45) ; v1(255.14,191.78) 254.87,191.51 254.87,182.25 254.77,180 254.87,175.55 255.21,173.33 255.47,165.97 255.51,164.14 256.04,137.76 256.04,134.9 255.93,131.2 256.16,120.55 256.12,118.6 256.13,116.76 255.95,114.41 255.52,112.47 255.13,111.36 254.81,109.46 255.3,107.34 255.63,103.49 255.67,97.72 255.72,70.35 255.64,55.03 255.52,52.58 255.62,52.48 255.62,49.15 v1(255.46,48.98) 255.62,48.82 255.62,48.59 ; v1(130.51,75.86) 130.01,74.98 129.76,72.95 129.73,56.41 129.66,53.5 129.66,43.1 129.64,35.61 129.58,18.16 129.64,0.34 v1(129.94,-1.69) ; v1(293.65,145.95) 293.83,145.25 293.99,144.42 294.29,142.05 294.39,139.5 294.19,112.81 294.13,70.89 ; v1(324.26,207.52) 324.49,207.11 324.51,206.75 324.61,205.68 324.88,202.36 325.21,194.92 325.35,194.25 325.41,159.8 325.28,136.8 325.2,135.24 325.04,133.91 324.66,131.94 324.38,130.32 324.28,129.49 324.02,128.1 324.02,114.66 ; v1(140.6,115.77) 141.09,116.89 141.29,118.38 141.2,119.14 140.9,127.07 140.59,135.66 140.34,149.15 141.38,151.05 141.71,151.76 142.03,153.2 142.54,156.22 142.27,160.02 141.72,162.64 141.22,165.78 141.4,166.87 141.68,168.65 141.9,169.37 142.1,170.23 142.52,171.6 143.21,173.75 143.81,176.34 144.06,180.37 143.85,229.01 143.81,229.04 143.95,231.88 143.86,235.9 144.3,238.72 143.8,239.55 143.75,240.98 143.86,242.06 143.85,242.01 143.9,244.91 143.87,249.4 143.9,250.46 144.09,251.15 144.34,252.6 143.78,253.16 143.78,254.28 143.77,255.15 143.73,262.31 143.67,263.92 143.67,268.76 143.6,270.31 144.06,272.54 144.23,272.72 143.58,275.08 143.3,279.77 143.17,282.01 v1(143.01,284.92) ; v1(375.31,303.23) 375.66,302.74 375.75,302.03 375.84,301.53 376.01,300.29 376,300.05 376.01,299.6 376.11,297.21 376.11,296.71 376.02,276.34 376.03,275.5 375.97,273.3 375.99,272.02 375.87,266.99 375.92,266.73 375.8,243.47 375.79,242.25 375.74,239.41 375.73,238.07 375.8,236.39 375.68,231.64 375.68,225.5 375.38,221.05 374.9,220.14 374.42,219.37 373.96,218.22 373.69,217.57 373.53,209.36 373.48,208.42 373.57,206.75 373.87,205.15 374.24,203.51 374.22,185.29 373.87,164.14 373.76,163.26 373.59,162.43 v1(373.64,162.13) ; v1(215.6,18.49) 215.6,17.54 215.69,17.44 215.69,6.35 215.73,6.32 215.81,4.42 216.02,2.47 215.93,1.79 215.76,0.54 215.65,-0.78 215.41,-2.91 215.23,-5.93 v1(214.98,-7.68) ; 170.09,137.71 169.52,133.98 169.47,132.63 169.32,131.19 ; 93.92,278.2 93.92,281.65 94.15,283.22 94.76,285.28 95.34,286.71 95.6,288 95.81,288.51 96.07,289.6 96.2,290.07 96.64,292.16 96.71,292.49 96.81,296.07 96.58,298.3 96.29,299.09 95.78,300.44 94.97,302.24 93.94,303.85 92.81,305.03 ; v1(179.71,249.19) 179.86,249.34 179.86,251.41 180.19,252.77 180.3,261.44 180.21,261.53 180.28,261.6 180.44,265.63 180.31,268.14 180.16,271.01 179.42,274.99 179.64,279.79 179.89,280.9 180.02,282.71 180.34,285.81 180.17,289.38 180.21,289.85 180.14,292.06 179.89,295.58 179.52,300.24 179.12,304.28 178.97,305.59 178.97,308.59 179.1,309.51 179.32,310.57 179.59,312.66 179.79,313.65 180.07,315.31 180.12,316.15 180.59,320.56 180.69,321.93 180.88,323.09 v1(181.19,324.28) ; v1(333.57,155.56) 333.21,158.02 333.11,158.86 333.2,162.11 333.97,163.54 334.48,164.65 334.94,165.79 335.21,167.36 335.21,168.29 335.34,175.04 335.35,175.54 335.57,181.56 335.34,188.66 335.34,189.14 335.15,191.17 335.13,191.18 334.91,193.71 334.72,195.06 v1(334.56,195.83) ; v1(182.34,12.36) 182.45,12.48 182.45,18.74 182.51,19.18 182.49,20.47 182.54,25.05 182.63,25.14 182.43,27.53 182.48,28.94 182.44,30.01 182.44,36.88 182.39,36.92 182.49,37.01 182.49,40.89 182.37,41.01 182.2,47 182.14,47.81 182.14,49.69 181.96,51.05 181.51,54.06 181.07,55.89 181.21,59.55 181.41,60.66 181.7,63.11 182.11,65.17 182.24,80.72 182.07,80.89 182.37,108.3 182.49,109.22 182.51,109.9 182.76,110.84 183,111.85 183.98,113.53 184.22,114.53 184.26,114.57 184.26,116.14 184.04,116.7 v1(183.74,117.41) ; v1(183.59,218.56) 183.59,207.11 v1(183.55,207.08) 183.36,206.89 183.36,178.27 v1(183.55,178.08) ; v1(368.33,82.36) 368.42,82.45 368.57,84.6 368.65,85.42 368.75,86.41 368.85,87.34 369.03,88.72 369.22,90.49 369.22,91.97 369.17,92.83 369.16,93.26 368.92,104.52 368.94,105.1 368.9,105.89 368.86,107.1 368.57,117.12 368.53,119.01 368.42,125.95 368.46,125.99 368.61,132.21 368.59,133.26 368.63,137.67 368.47,139.39 368.2,142.16 368.02,142.93 367.8,145.75 367.94,151.5 368.08,155.85 368.18,159.92 368.26,161.93 368.5,163.2 368.77,164.6 369.13,166.91 369.35,168.15 369.48,170.01 369.65,172.24 369.61,173.7 369.4,177.24 369.14,178.93 v1(368.78,181.12) ; v1(85.45,102.98) 89.7,103.19 v1(90.48,103.41) ; v1(175.9,24.53) 175.33,24.53 175,24.86 175.22,41.46 175.18,46.12 175.2,46.63 175.48,50.94 175.15,52.95 174.17,56.28 174.34,57.84 174.47,58.72 174.93,63.61 174.98,64.68 175.55,70.23 175.71,72.06 176.09,78.88 176.06,107.08 ; v1(367.25,98.56) 367.35,101.97 367.4,104.6 367.42,106.2 367.64,115.16 367.67,116.32 367.62,117.87 367.6,119.2 367.59,120.04 367.48,126.04 367.47,126.32 367.46,127.61 367.53,135.15 367.51,137.48 367.34,139.28 367.24,140.1 366.91,144.51 366.9,145.02 366.89,145.87 366.9,152.79 367.03,154.85 367.1,156.84 367.24,158.61 367.22,159.75 367.24,161.85 367.51,163.39 367.72,164.25 367.9,165.19 368.18,166.64 368.22,167.46 368.33,168.57 368.43,169.49 368.4,169.51 368.31,171.62 368.28,172.29 368.13,173.3 367.83,174.26 v1(367.48,174.91) ; 371.48,262.88 371.1,261.55 370.49,259.64 370.41,258.26 370.49,256.67 370.79,255.84 371.25,254.16 371.53,253.5 371.68,253.15 371.94,252.45 372.14,251.9 372.41,250.97 372.58,246.71 372.62,243.85 372.67,236.56 372.65,232.01 372.52,231.59 372.23,230.27 371.89,229.58 v1(371.84,229.58) ; v1(373.46,158.53) 373.62,158.07 373.76,157.43 373.86,155.5 373.91,154.44 373.96,153.48 374.01,152.43 374.16,147.1 374.21,145.35 374.16,142.2 374.11,140.51 374.11,138.75 373.93,136.31 373.84,132.63 373.73,130.75 373.71,129.04 373.6,126.62 373.57,125.68 373.52,122.59 373.24,120.77 372.97,115.48 372.94,114.36 373.08,102.48 373.08,100.29 373.17,88.89 373.18,87.36 373.06,74.18 373.09,72.16 373.14,70.79 373.12,70.45 ; 170.05,137.42 170.8,140.72 171.27,143.13 171.66,146.09 171.71,149.92 171.33,153.05 170.58,155.08 169.64,157.07 169.24,158.65 169.11,161.48 169.11,163.05 168.99,182.59 169.06,182.65 169.06,191.99 169.11,192.33 168.96,213.2 168.93,213.23 168.82,236.98 168.83,238.4 168.79,239.99 169.14,243.88 169.3,244.69 v1(169.61,246.59) 169.44,247.6 168.89,250.97 168.87,260.62 ; v1(400.36,202.74) 400.36,200.8 400.34,200.79 400.25,177.86 v1(400.3,164.49) ; v1(141.67,301.57) 141.38,299.74 141.16,295.14 141.09,293.45 141,288.64 141.09,287.5 141.18,280.53 v1(141.6,280.1) 141.29,278.15 140.89,276.97 139.98,272.91 139.83,270.95 140.09,268.63 140.86,265.5 140.98,260.63 140.75,256.39 140.5,255.22 140.48,255.19 140.4,254.34 139.63,250.64 139.73,247.78 139.99,247.16 139.99,243.25 140,242.66 ; 282.49,224.55 283.49,227.36 283.92,230.26 ; v1(405.66,213.93) 405.54,213.12 405.61,212.67 405.61,211.27 405.62,211.03 405.7,210.34 405.65,209.61 405.74,209.01 406.02,207.26 406.16,206.33 406.39,205.3 406.59,203.92 406.72,202.5 406.88,201.66 407.05,199.71 407.15,196.98 407.15,196.32 407.01,194.63 406.96,193.53 406.72,192.36 406.24,188.96 406.06,188.04 405.83,186.84 405.76,185.94 405.63,184.76 405.66,184.14 v1(405.66,183.02) ; v1(94.56,292.71) 94.34,292.49 94.22,291.13 94.12,290.6 94.11,288.58 93.77,287.13 93.5,285.99 91.99,284.26 91.52,283.76 90.12,282.37 88.91,280.5 88.28,279.02 87.47,277.3 86.89,275.98 86.38,274.59 85.63,272.65 84.98,270.68 84.47,269.22 84.06,267.92 83.32,266.46 v1(82.28,265.62) ; v1(254.45,123.11) 254.65,125.31 254.8,127.56 255,129.94 254.96,133.12 254.89,136.83 254.94,140.53 254.67,144.04 254.94,148.8 254.91,153.25 254.85,157.74 254.71,161.81 254.31,168.08 254.2,169.39 253.96,174.11 253.53,179.2 253.13,184.58 252.89,189.72 252.69,193.3 252.44,199.39 252.11,204.66 252.13,210.67 251.8,214.14 251.71,216.98 251.42,221.95 251.58,223.21 251.47,224.9 251.47,227.44 251.58,233.77 251.49,240.31 251.78,258.75 251.71,259.73 251.82,260.31 v1(251.78,261.35) ; v1(104.93,1.23) 104.93,1.58 105.09,1.77 105.08,4.03 105.15,4.11 v1(104.97,4.83) 105.28,5.14 105.28,15.68 105.41,17.22 105.14,21.66 104.57,23.04 104.19,23.89 103.9,24.37 103.67,24.71 103.38,25.81 103.4,26.93 104,29.99 104.18,31.16 104.25,32.47 104.23,33.02 104.19,34.1 104.31,42.12 104.2,43.23 103.4,46.17 103.05,47.01 102.74,47.81 102.45,49 102.59,50.96 102.65,51.38 102.97,52.3 103.28,53.86 103.53,56.38 103.45,59.24 103.43,59.97 103.27,60.97 103.18,61.89 102.88,62.81 102.42,64.13 102.26,64.73 102.07,65.52 101.7,66.54 100.94,68.82 100.82,69.34 100.67,70.08 100.42,71.68 100.39,72.22 100.45,73.44 100.93,75.16 101.05,75.75 101.22,77.32 101.45,78.83 101.56,80.71 101.83,105.02 101.5,111.26 101.34,112.13 101.03,115.37 ; 220.8,163.76 v1(221.18,166.63) ; v1(136.99,53.22) 136.92,53.29 137.02,68.84 137.15,70.58 137.4,72.13 137.42,72.78 137.61,75.14 137.58,76.72 137.58,79.77 137.32,84.12 137.09,89.58 137.01,91.05 136.84,92.74 136.76,93.88 136.52,99.11 136.44,100.97 136.21,106.51 136.12,107.68 136,108.48 135.77,109.38 135.41,111.19 134.46,114.18 134.03,117.39 134.04,119.73 134.04,121.66 134.21,122.78 134.74,126.44 135.18,128.48 135.61,130.46 136.03,131.46 136.29,133.44 136.55,135.06 136.96,139.78 137.04,141.05 137.27,147.34 137.42,148.72 137.53,151.48 137.64,152.02 137.78,155.06 138.04,156.83 138.48,159.8 138.59,161.13 138.99,164.61 139.08,165.77 139.62,169.05 140.19,171.8 140.72,173.8 140.83,174.6 141.08,177.82 141.32,181.61 141.14,184.53 